# Altium PCB NNP-DWG-165-001-000 BP2 PCB, Unpopulated.PcbDoc (part 1 of 3)
Units mil, origin at the board's own origin, x right, y up, seen from the top; angles counter-clockwise.
Board outline 4165.82 x 2037.39 mil, 4 copper layers (Layer 1, Plated Cu, Layer 2, Cu, Layer 3, Cu, Layer 4, Plated Cu), stack 15.546 mil thick; 177 components, 109 nets, 543 pads, 287 vias.
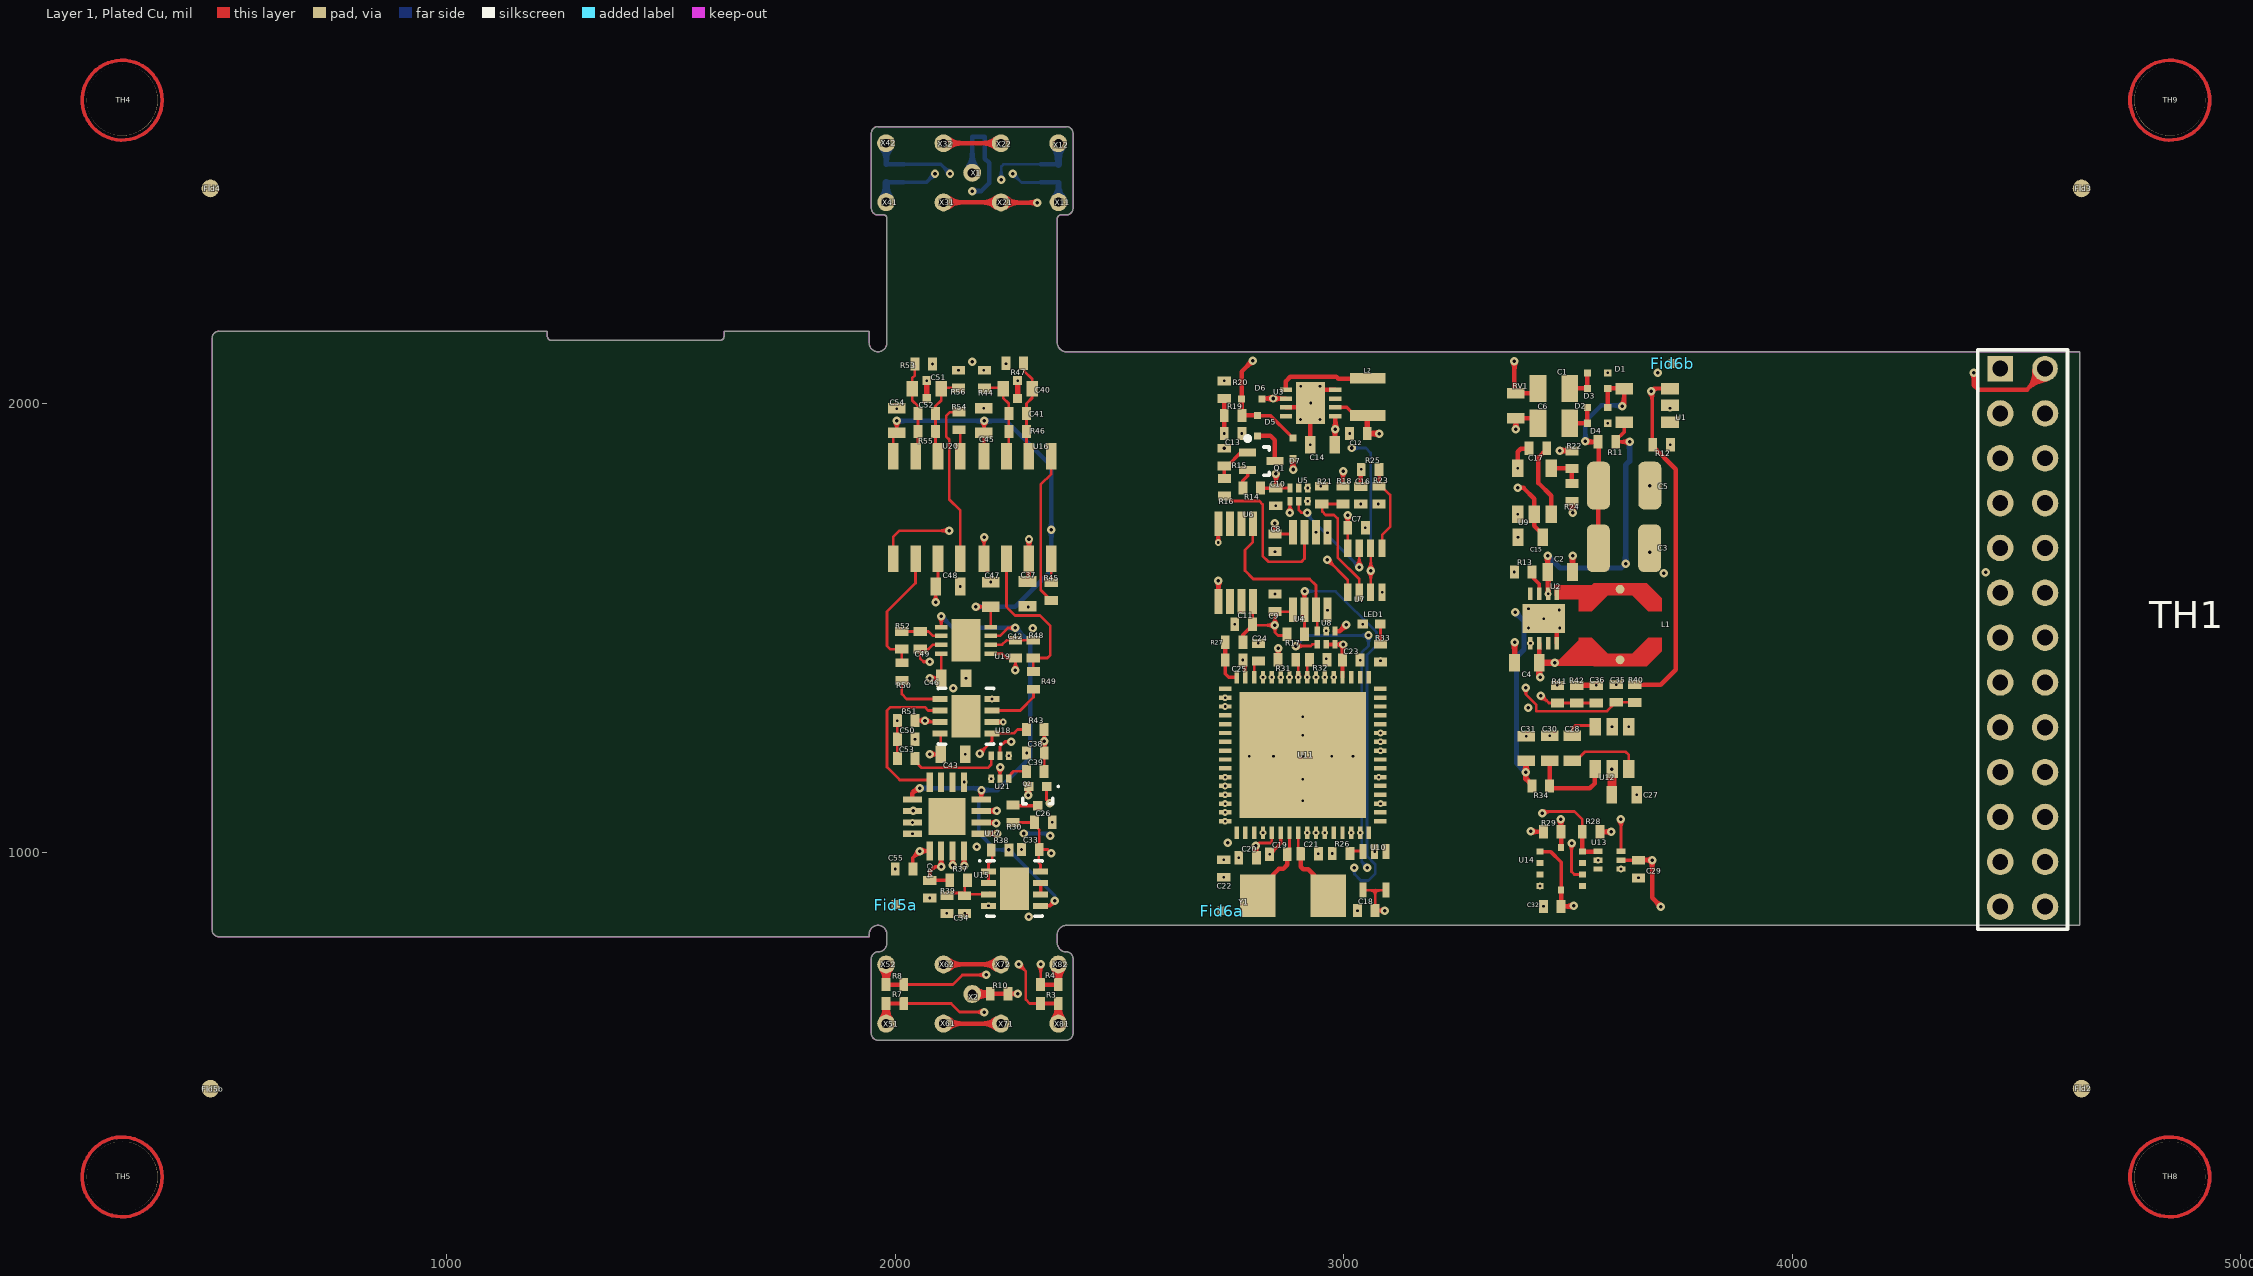
[diagram p0: Layer 1, Plated Cu view]
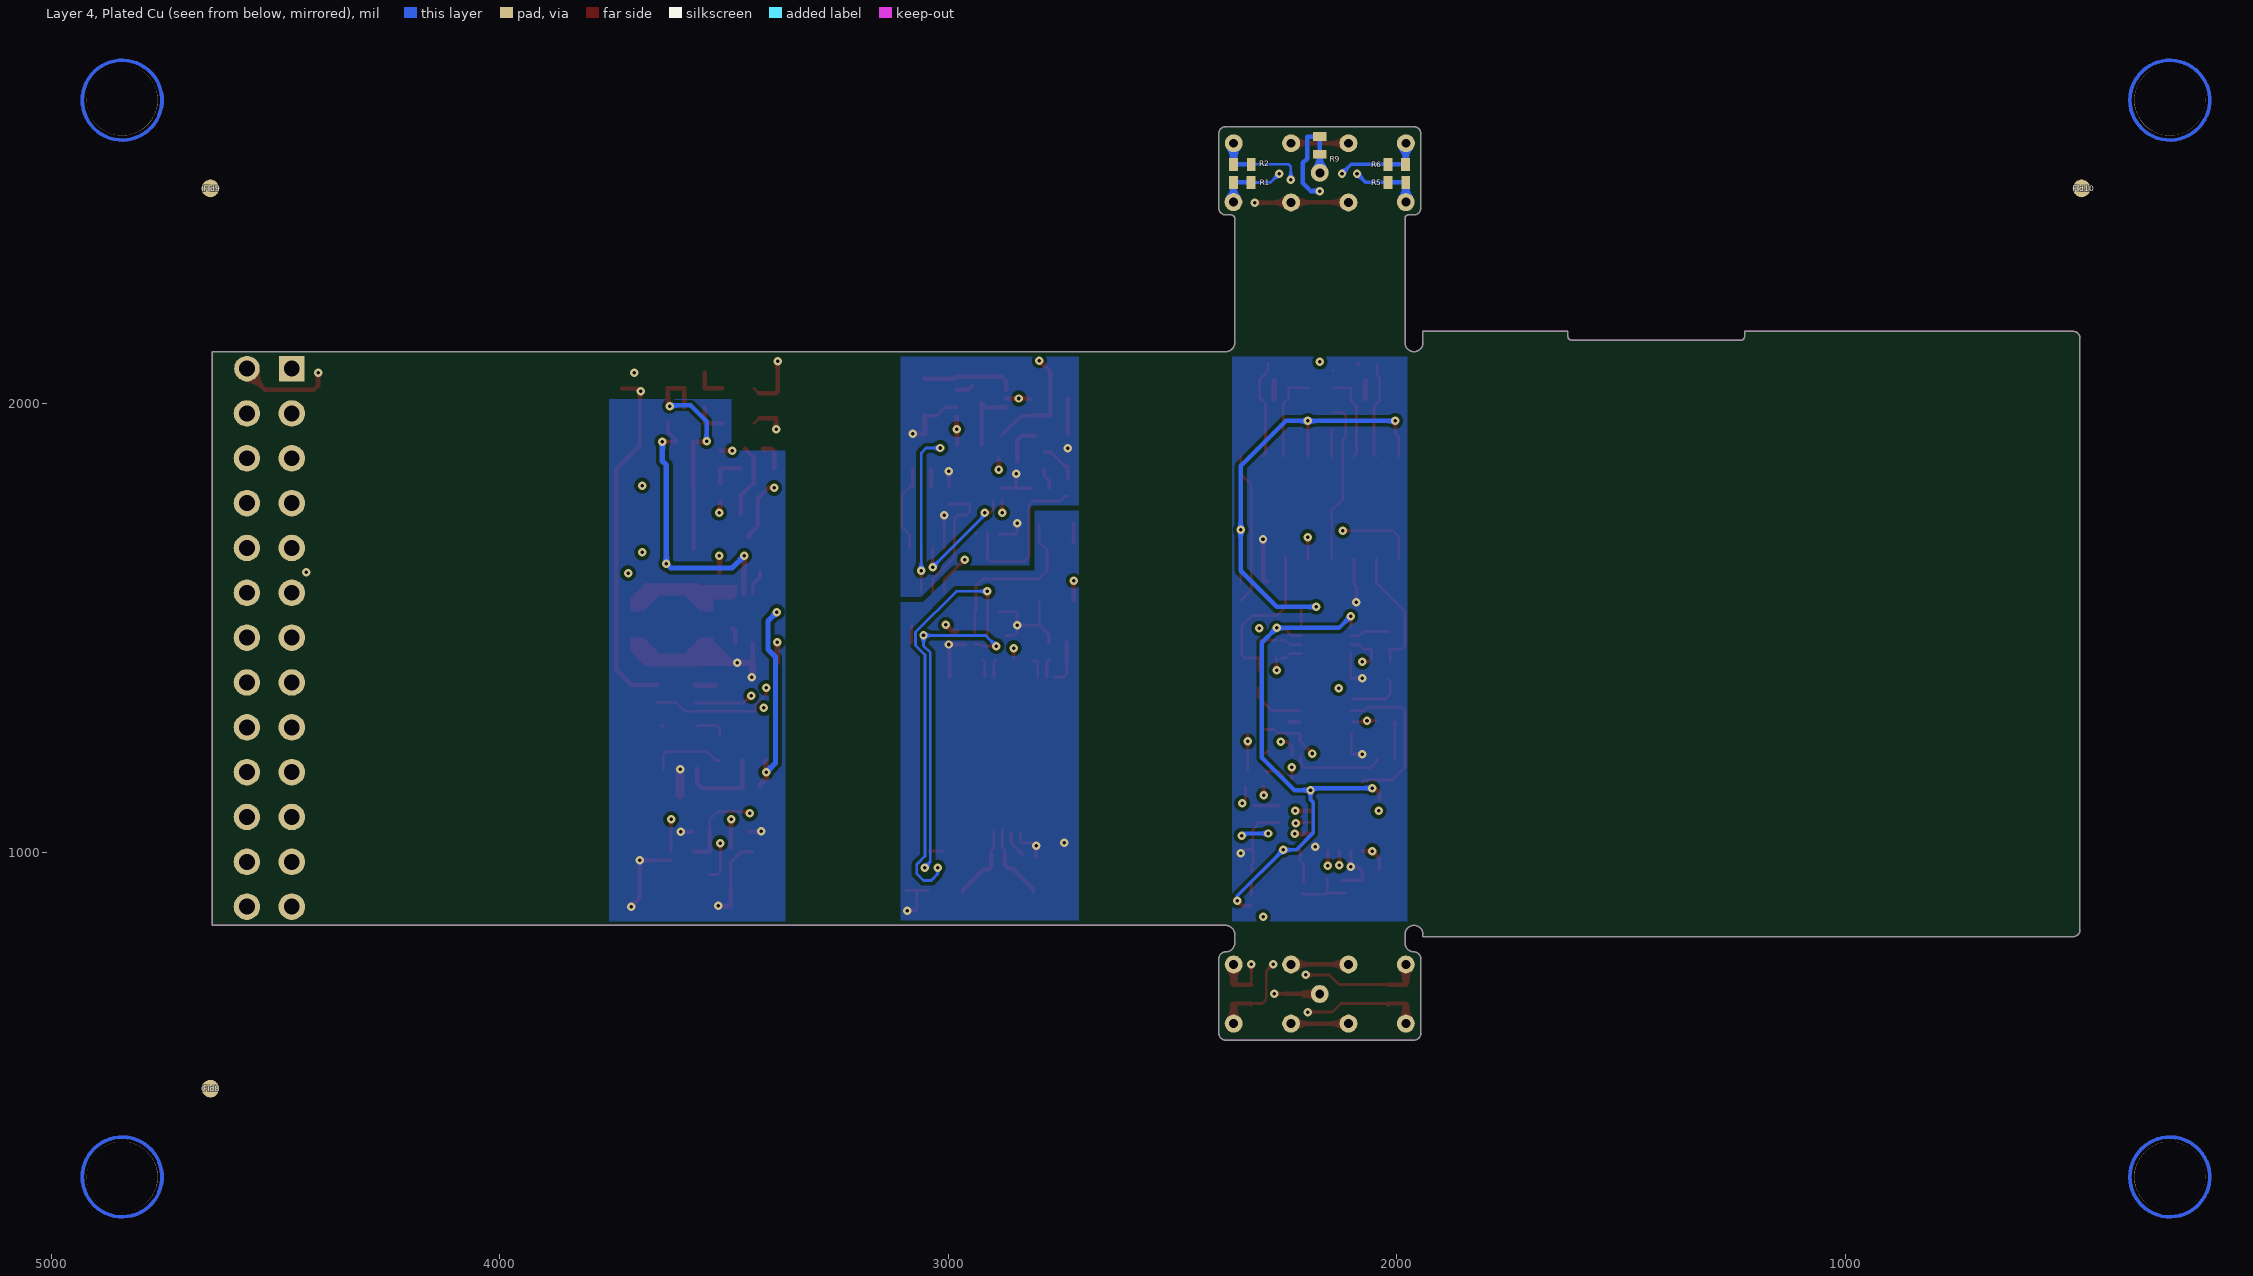
[diagram p1: Layer 4, Plated Cu view, seen from below]
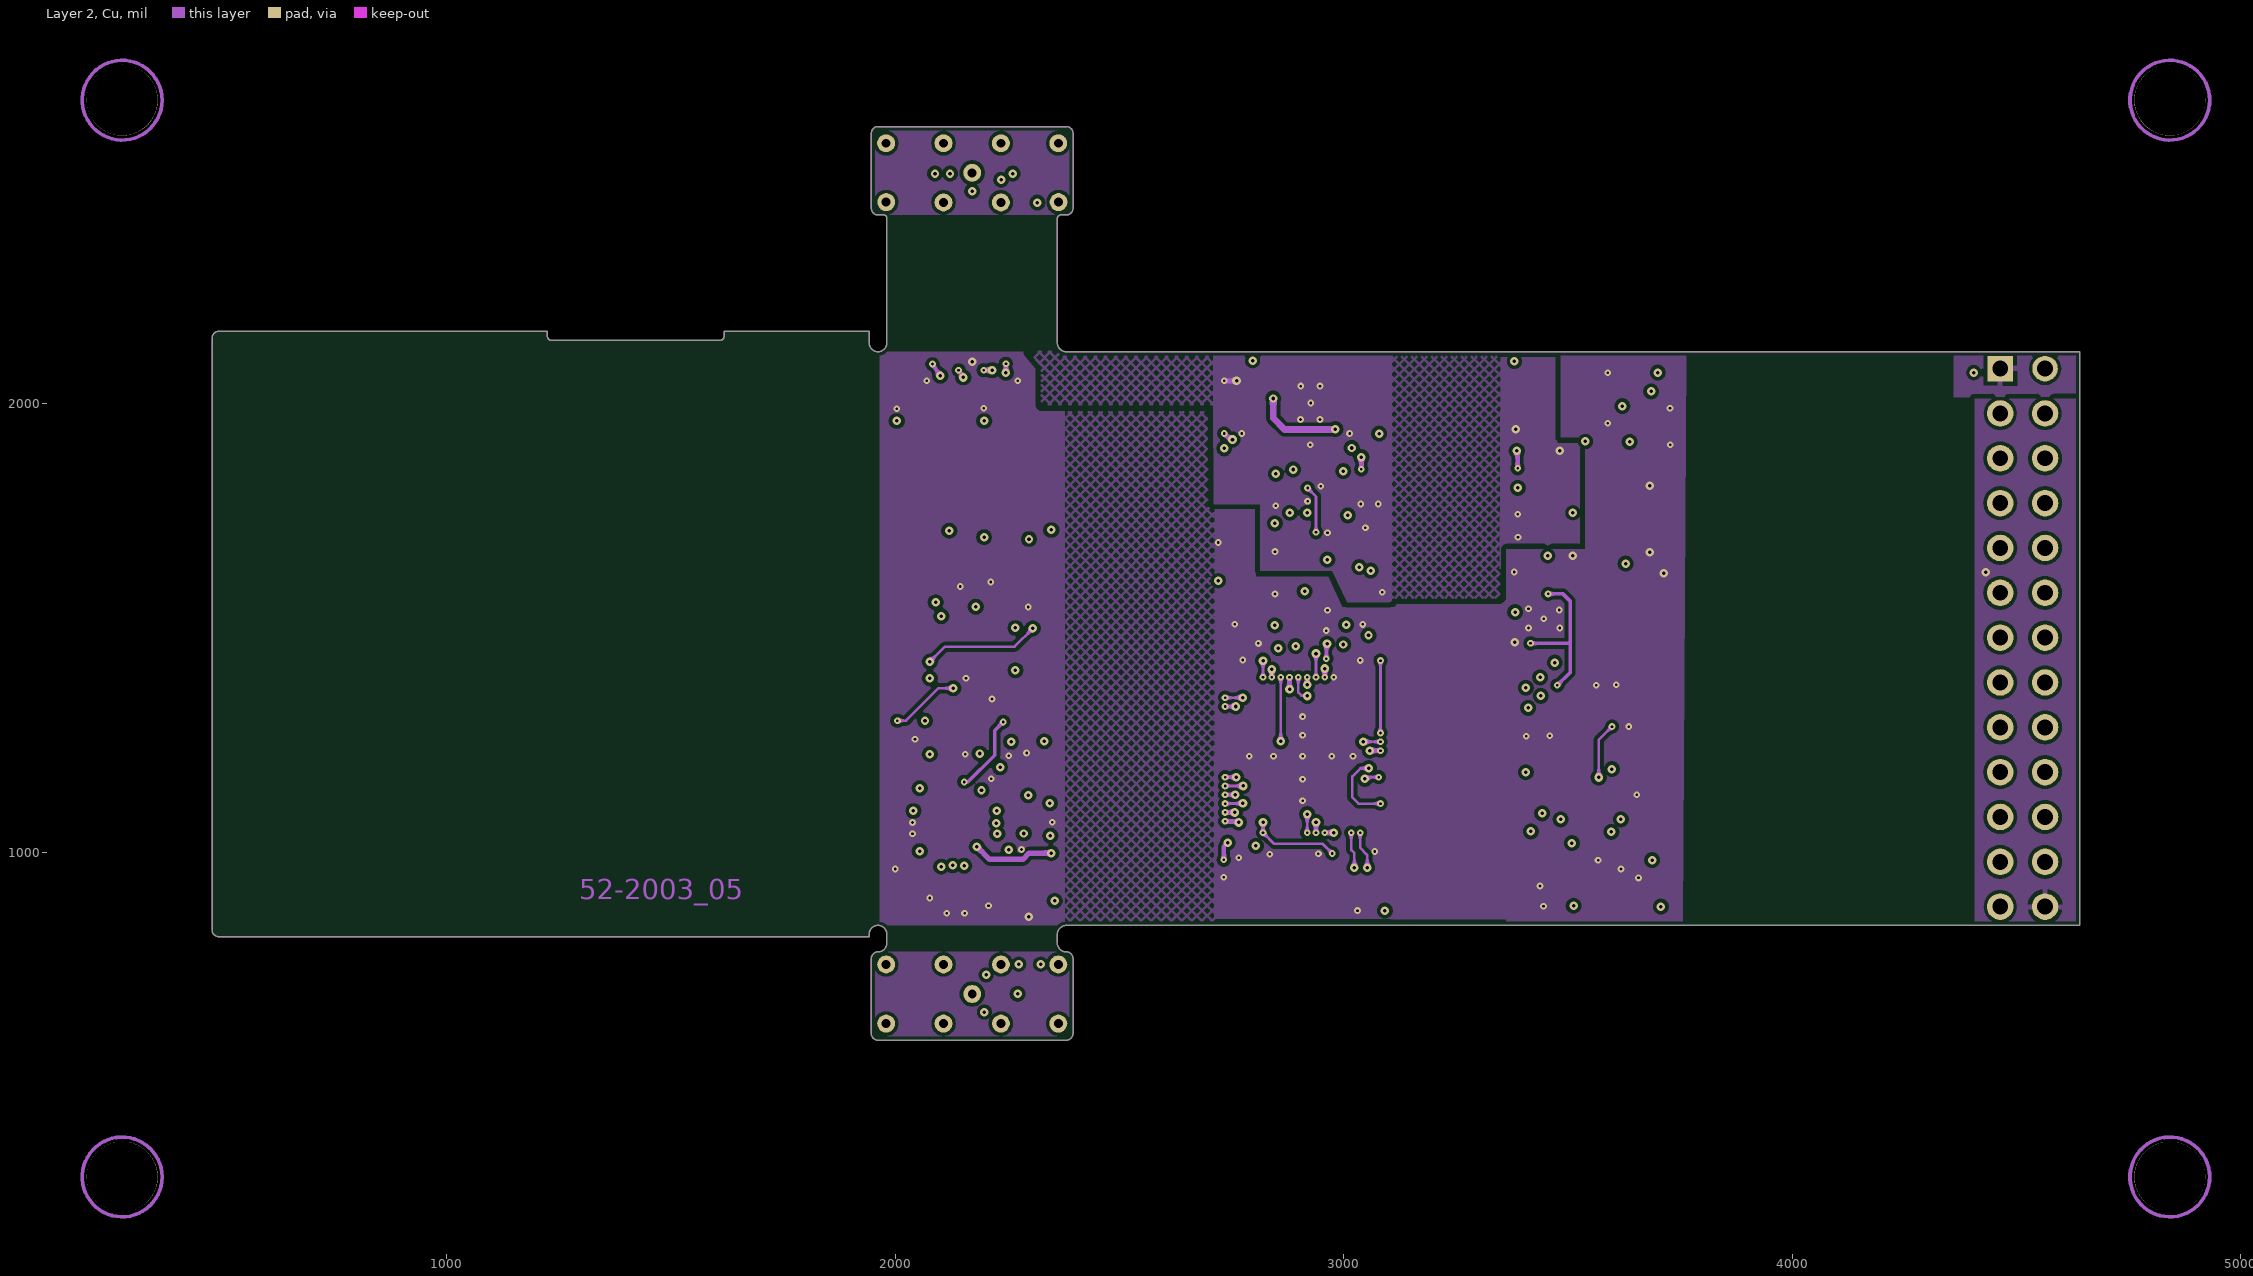
[diagram p2: Layer 2, Cu]
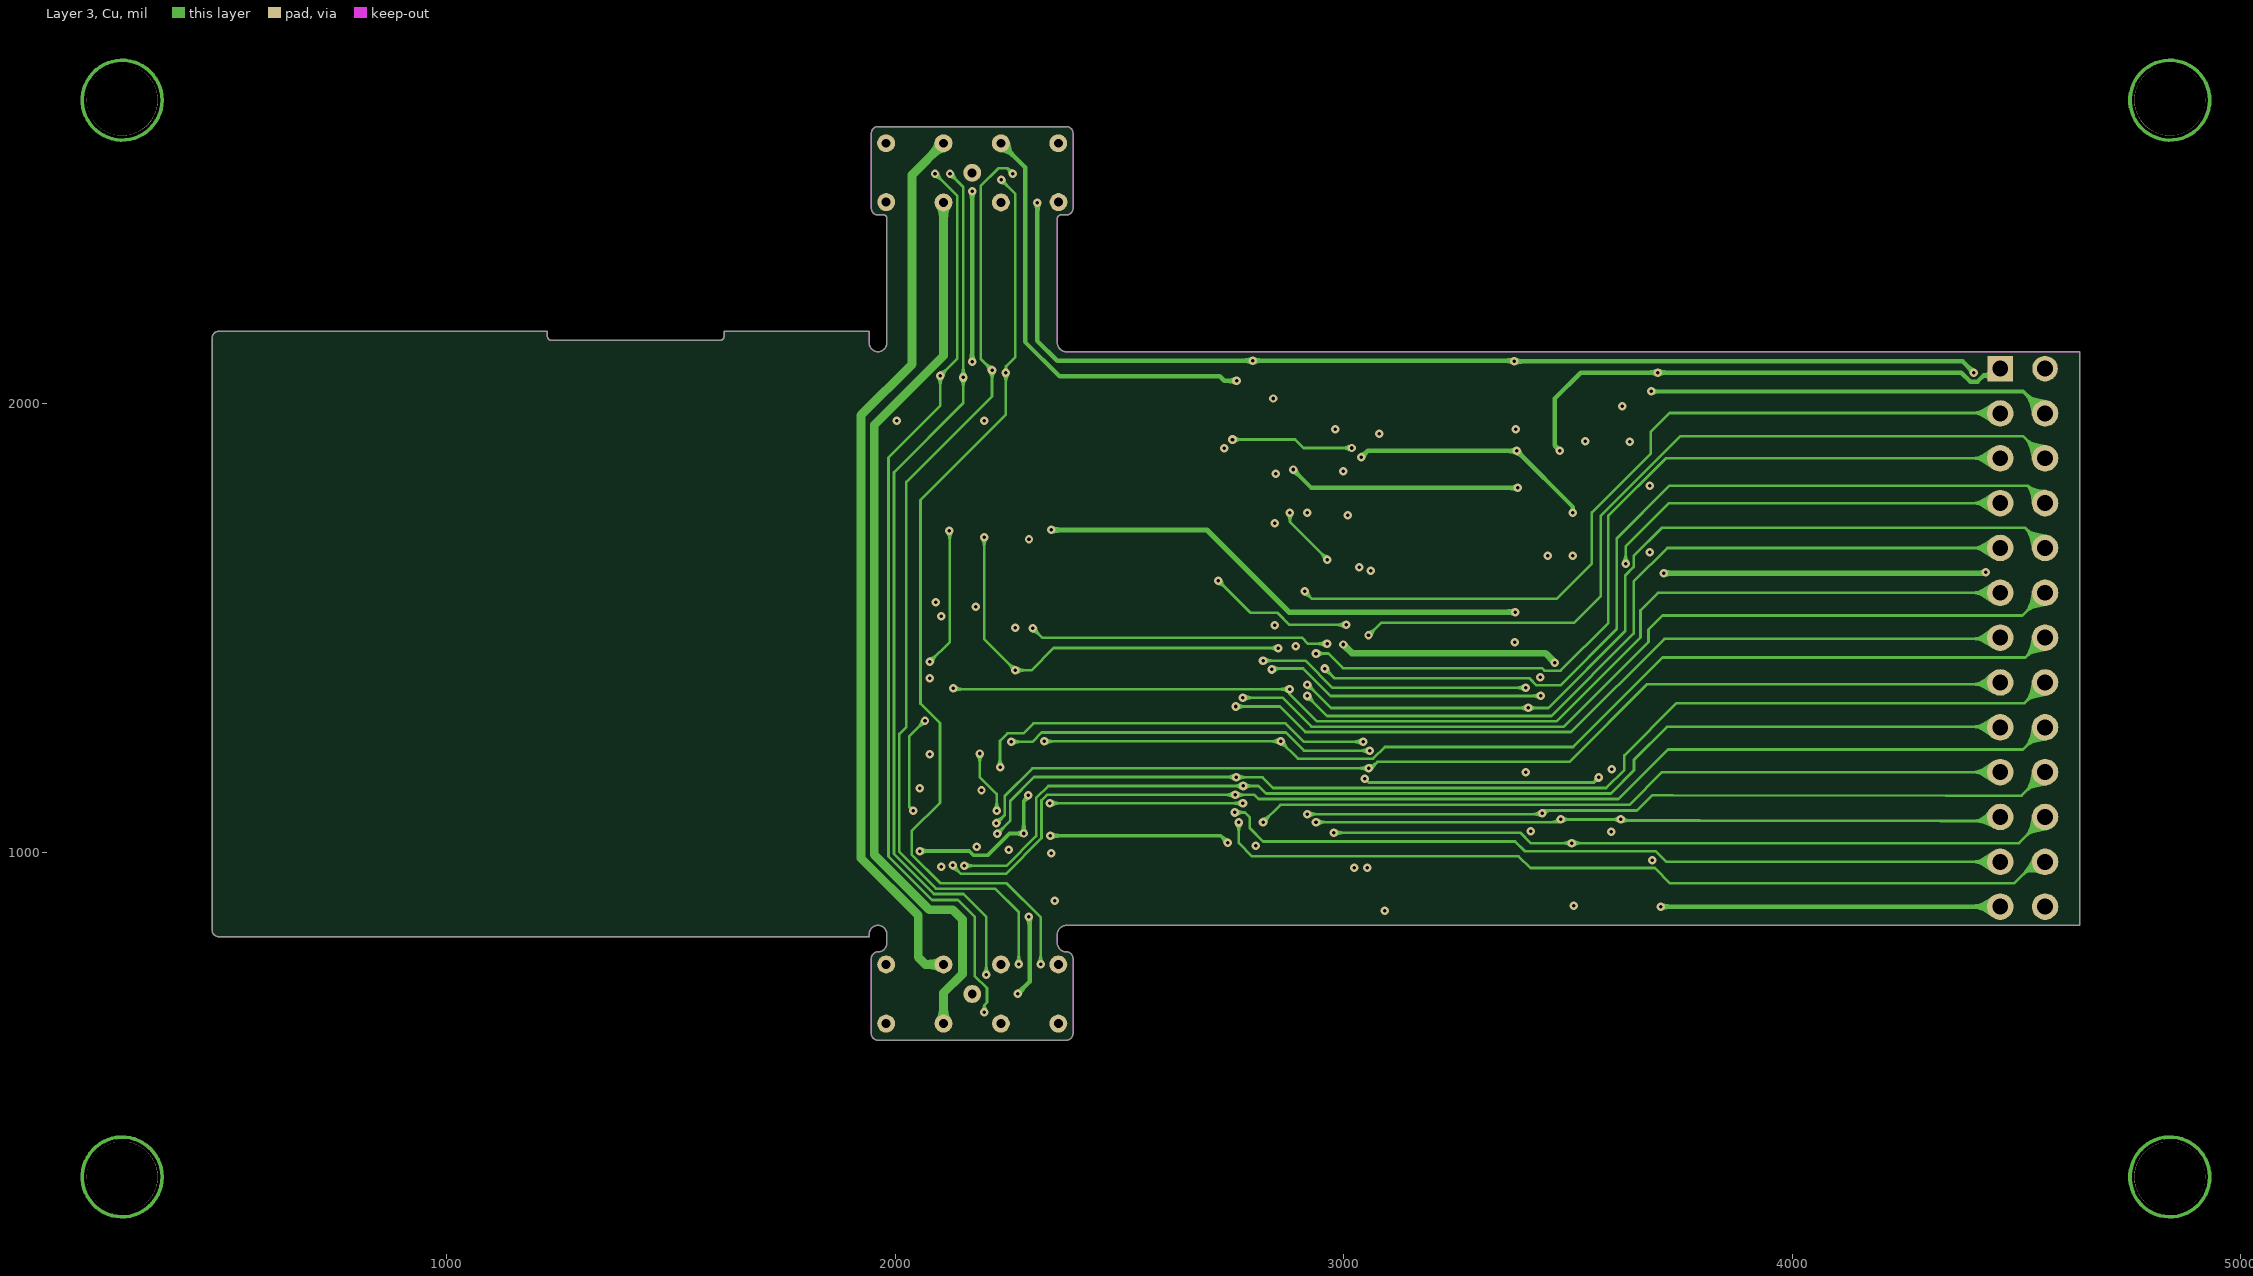
[diagram p3: Layer 3, Cu]
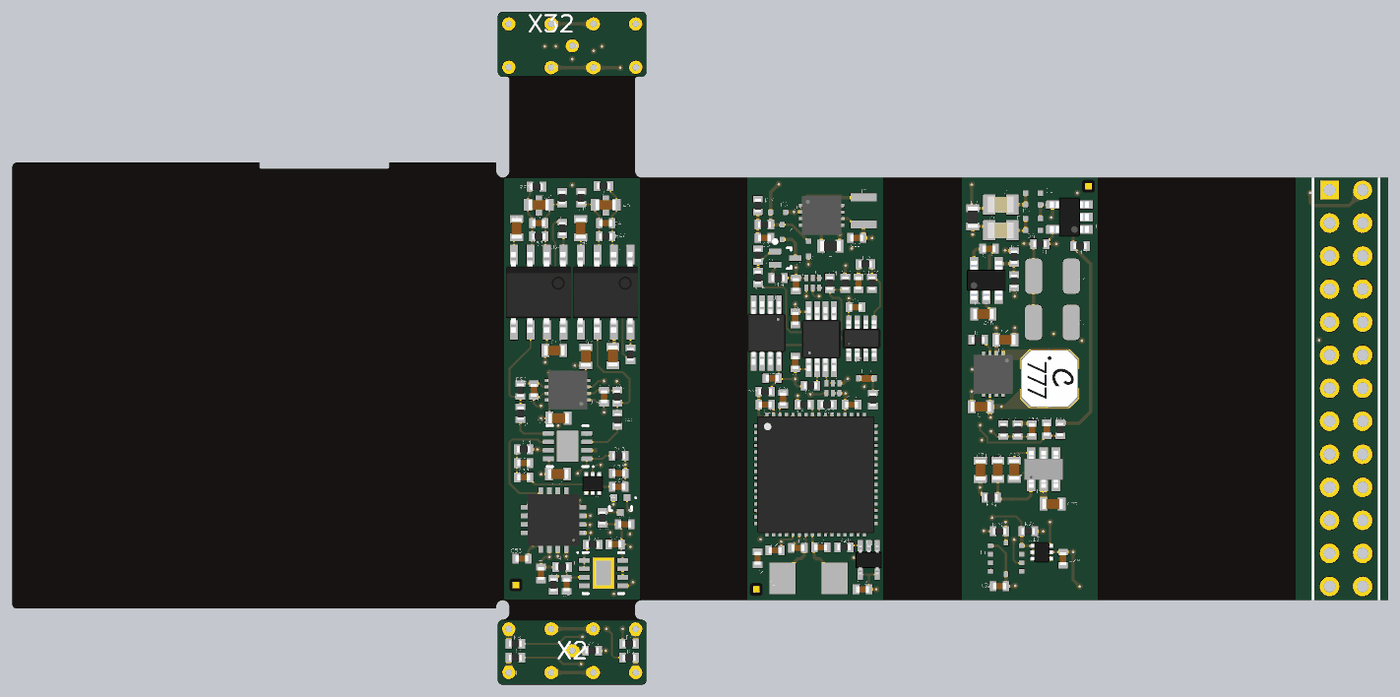
[diagram p6: 3D render of the assembled board from above, using the file's embedded part models]
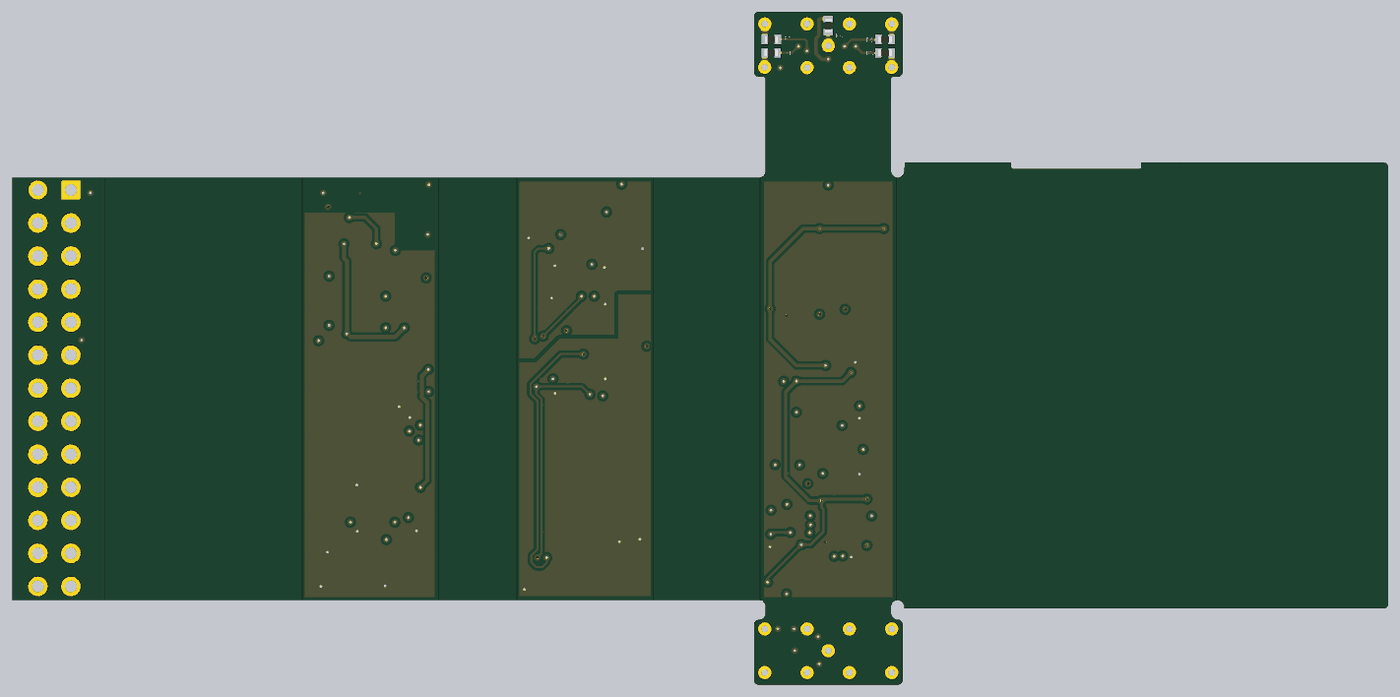
[diagram p7: 3D render of the assembled board from below, using the file's embedded part models]

## Layer stack, top to bottom
Layer 1, Solder: solder mask 0.492, Solder Resist, Dk 3.5
Layer 1, Plated Cu: signal copper 0.689
Polymide 25: dielectric 0.984, Dk 3.4
Polymide 12: dielectric 0.492, Dk 3.4
Adhesive: surface 0.492, Dk 3.5
Layer 2, Cu: signal copper 0.689
Polymide 25: dielectric 0.984, Dk 3.4
Layer 3, Cu: signal copper 0.689
Adhesive: surface 0.492, Dk 3.5
Polymide12: dielectric 0.492, Dk 3.4
Polymide 25: dielectric 0.984, Dk 3.4
FR4: core 7.87, Dk 4.2
Layer 4, Plated Cu: signal copper 0.689
Layer 4, Solder: solder mask 0.492, Solder Resist, Dk 3.5

## Board outline
491.15,811.61 1941.32,811.61 1941.32,816.61 cw(c1961.32,816.61) 1981.32,816.61 1981.32,797.56 cw(c1961.32,797.56) 1961.32,777.56 ccw(c1961.32,762.56) 1946.32,762.56 1946.32,595.71 ccw(c1961.32,595.71) 1961.32,580.71 2381.32,580.71 ccw(c2381.32,595.71) 2396.32,595.71 2396.32,762.56 ccw(c2381.32,762.56) 2381.32,777.56 cw(c2381.32,797.56) 2361.32,797.56 2361.32,816.61 cw(c2381.32,816.61) 2381.32,836.61 4641.96,836.61 4641.96,2116.14 2381.32,2116.14 cw(c2381.32,2136.14) 2361.32,2136.15 2361.39,2413.39 cw(c2369.26,2413.39) 2368.77,2421.25 2381.45,2421.25 ccw(c2381.45,2436.21) 2396.41,2436.21 2396.41,2603.1 ccw(c2381.41,2603.1) 2381.41,2618.1 1961.41,2618.1 ccw(c1961.41,2603.1) 1946.41,2603.1 1946.41,2436.21 ccw(c1961.37,2436.21) 1961.37,2421.25 1974.01,2421.25 cw(c1973.52,2413.39) 1981.39,2413.39 1981.32,2136.15 cw(c1961.32,2136.14) 1941.32,2136.14 1941.32,2161.62 1617.88,2161.62 1617.88,2149.8 cw(c1610.01,2149.8) 1610.01,2141.93 1232.05,2141.93 cw(c1232.05,2149.8) 1224.18,2149.8 1224.18,2161.62 491.15,2161.62 ccw(c491.15,2146.62) 476.15,2146.62 476.15,826.61 ccw(c491.15,826.61)
board region Flex-1: 476.15,836.32 476.15,2116.56 1964.72,2116.44 1964.7,836.36
board region R1: 1964.7,836.36 1964.72,2116.44 2378.08,2116.41 2378.06,836.37
board region Flex-3: 2378.06,836.37 2378.07,2116.41 2378.66,2116.41 2381.32,2116.14 2700.92,2116.14 2700.92,836.61 2381.32,836.61 2378.81,836.37
board region R1a: 1974.48,2421.17 1974.01,2421.24 1961.37,2421.24 1958.39,2421.25 1952.89,2423.52 1948.69,2427.73 1946.41,2433.23 1946.41,2436.21 1946.41,2603.1 1946.41,2606.08 1948.69,2611.59 1952.91,2615.81 1958.43,2618.1 1961.41,2618.1 2381.41,2618.1 2384.39,2618.1 2389.91,2615.81 2394.13,2611.59 2396.41,2606.08 2396.41,2603.1 2396.41,2436.21 2396.41,2433.23 2394.13,2427.73 2389.92,2423.52 2384.42,2421.25 2381.45,2421.24 2368.77,2421.24 2367.3,2421.01 2366.32,2420.55
board region R2: 3114.3,836.61 2700.92,836.61 2700.92,2116.14 3114.31,2116.14
board region Flex-3: 3350.6,836.61 3114.3,836.61 3114.31,2116.14 3350.53,2116.14
board region R3: 3763.73,836.61 3350.59,836.61 3350.53,2116.14 3763.96,2116.14
board region Flex-5: 4359.98,836.61 3763.73,836.61 3763.96,2116.14 4360.36,2116.14
board region R4: 4360.36,2116.14 4641.97,2116.14 4641.97,836.61 4359.98,836.61
board region Flex-1: 476.15,2116.56 476.15,2146.62 476.15,2149.6 478.43,2155.11 482.65,2159.33 488.16,2161.62 491.15,2161.62 1224.18,2161.62 1224.18,2149.8 1224.33,2148.27 1225.51,2145.43 1227.68,2143.26 1230.52,2142.08 1232.05,2141.93 1610.01,2141.93 1611.54,2142.08 1614.38,2143.26 1616.55,2145.43 1617.73,2148.27 1617.88,2149.8 1617.88,2161.62 1941.32,2161.62 1941.32,2136.14 1941.7,2132.24 1944.69,2125.03 1950.21,2119.51 1957.42,2116.53 1964.72,2116.53 1964.72,2116.44
board region Flex-2a: 1964.72,2116.44 1964.72,2116.53 1965.22,2116.53 1972.43,2119.52 1977.95,2125.04 1980.94,2132.25 1981.32,2136.15 1981.39,2413.39 1981.25,2414.86 1980.16,2417.6 1978.15,2419.76 1975.48,2421.01 1974.47,2421.17 2366.32,2420.55 2364.63,2419.76 2362.62,2417.61 2361.53,2414.86 2361.39,2413.39 2361.32,2136.15 2361.7,2132.25 2364.69,2125.03 2370.21,2119.51 2377.42,2116.53 2378.08,2116.46 2378.08,2116.41
board region Flex-3: 2378.07,2116.41 2378.07,2116.46 2378.66,2116.41
board region Flex-1: 1964.7,836.36 1964.7,836.23 1957.42,836.23 1950.21,833.24 1944.69,827.73 1941.7,820.52 1941.32,816.61 1941.32,811.61 491.15,811.61 488.16,811.61 482.65,813.9 478.43,818.12 476.15,823.63 476.15,826.61 476.15,836.32
board region Flex-2b: 1965.52,778.07 1972.43,780.93 1977.95,786.45 1980.93,793.66 1981.32,797.56 1981.32,816.61 1980.93,820.52 1977.95,827.73 1972.43,833.24 1965.22,836.23 1964.7,836.23 1964.7,836.36 2378.06,836.37 2378.06,836.29 2377.42,836.23 2370.21,833.24 2364.69,827.73 2361.7,820.52 2361.32,816.61 2361.32,797.56 2361.7,793.66 2364.69,786.45 2370.21,780.93 2377.42,777.94 2381.02,777.59
board region Flex-3: 2378.81,836.37 2378.06,836.29 2378.06,836.37
board region R1b: 2381.01,777.59 2381.32,777.56 2384.3,777.56 2389.82,775.28 2394.04,771.06 2396.32,765.54 2396.32,762.56 2396.32,595.71 2396.32,592.73 2394.04,587.21 2389.82,582.99 2384.3,580.71 2381.32,580.71 1961.32,580.71 1958.34,580.71 1952.82,582.99 1948.6,587.21 1946.32,592.73 1946.32,595.71 1946.32,762.56 1946.32,765.54 1948.6,771.06 1952.82,775.28 1958.34,777.56 1961.32,777.56 1965.22,777.94 1965.52,778.07
